# KiCad board All_Bloks_of_project.kicad_pcb (continued)
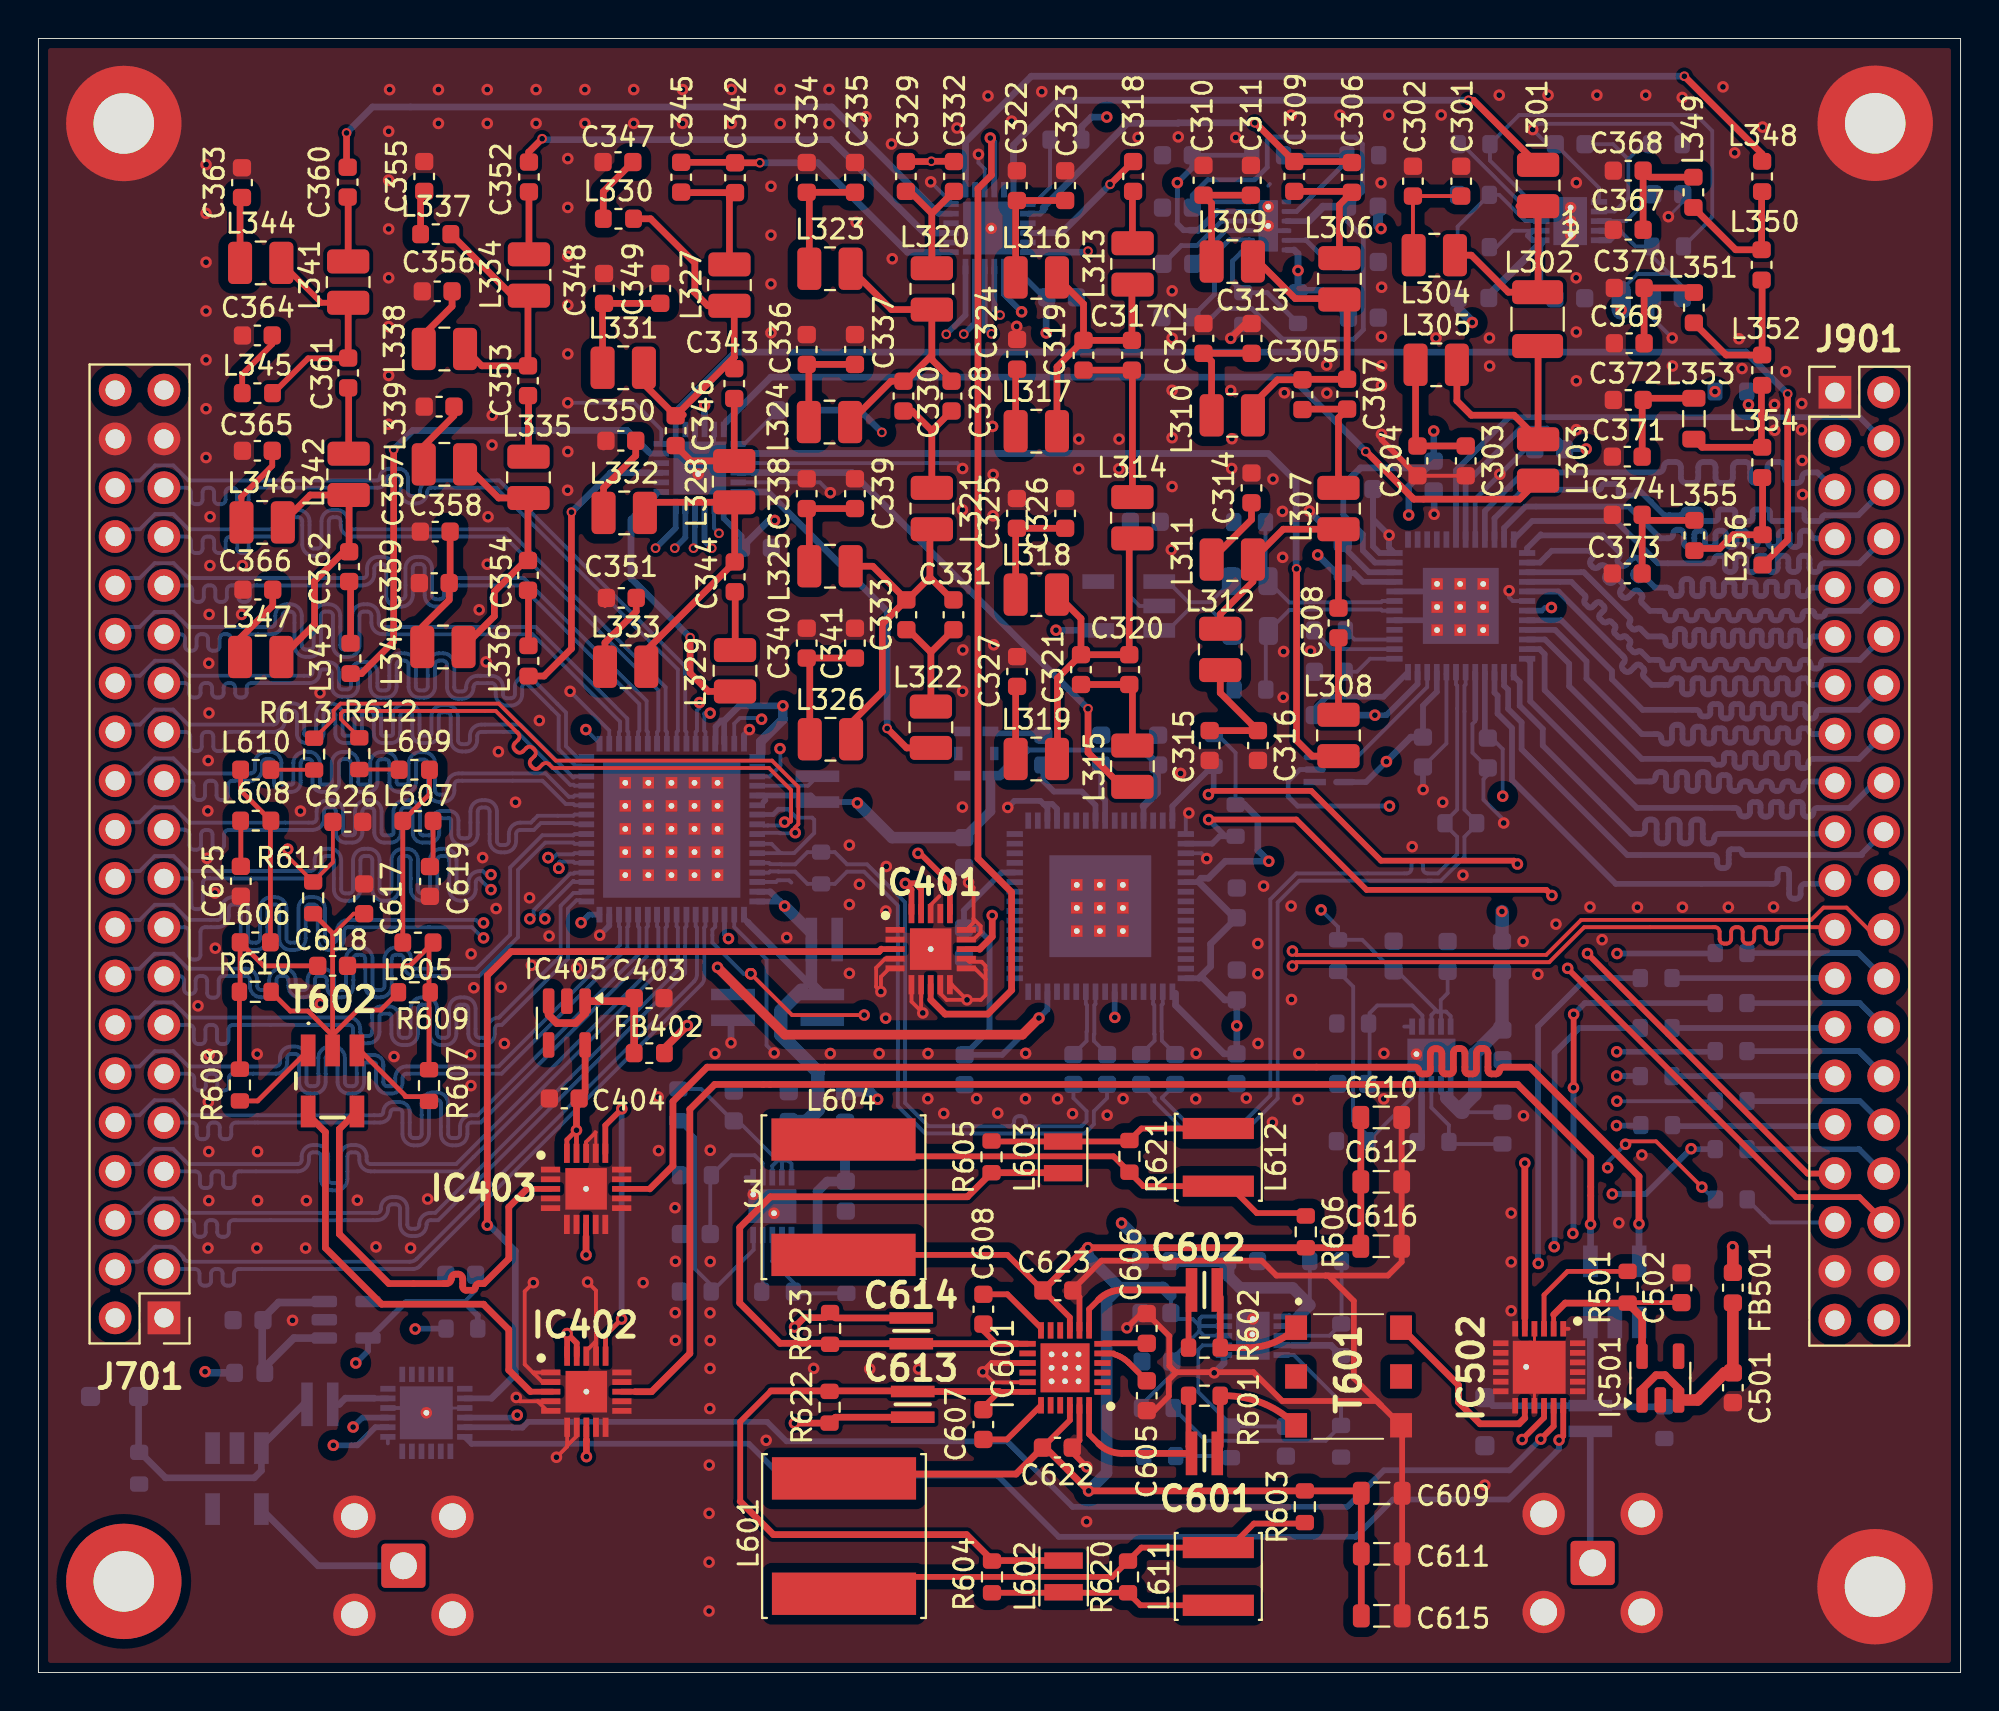
[diagram p0: board, top side]
## Routing (per net, layer and track width the routed paths; a pad name or vN(x,y) marks a point on that pad's centre or on a via; arc(x,y) is an arc through that point) (continued)
/ADC_D5_P: length 40.5
  Bottom w0.2: IC701.34 28.25,40.62 28.19,40.55 27.84,40.55 27.17,39.88 27.17,37.28 23.95,34.07 arc(23.54,33.9) 23.36,33.48 23.36,33.23 arc(23.3,33.08) 23.15,33.02 22.95,33.02 arc(22.8,33.08) 22.74,33.23 22.74,34.53 arc(22.57,34.95) 22.15,35.12 21.95,35.12 arc(21.54,34.95) 21.36,34.53 21.36,33.23 arc(21.3,33.08) 21.15,33.02 20.95,33.02 arc(20.8,33.08) 20.74,33.23 20.74,34.53 arc(20.57,34.95) 20.15,35.12 19.95,35.12 arc(19.54,34.95) 19.36,34.53 19.36,33.23 arc(19.3,33.08) 19.15,33.02 18.95,33.02 arc(18.8,33.08) 18.74,33.23 18.74,34.17 arc(18.6,34.51) 18.26,34.65 17.84,34.65 arc(17.5,34.51) 17.36,34.17 17.36,33.32 arc(17.3,33.17) 17.15,33.11 16.95,33.11 arc(16.8,33.17) 16.74,33.32 16.74,33.48 arc(16.57,33.9) 16.15,34.07 7.8,34.07 7.01,34.86 6.06,34.86 5.27,34.07 4.37,34.07 J701.14
/ADC_D6_N: length 38.7
  In2.Cu w0.2: v1(26.35,39.2) 26.35,39.14 25.62,38.41 23.36,38.41 v1(23.16,38.21)
  Bottom w0.2: IC701.35 27.89,41.13 27.84,41.18 27.83,41.18 26.15,39.5 26.15,39.4 v1(26.35,39.2) ; v1(23.16,38.21) 23.11,38.21 22.55,38.77 16.12,38.77 arc(15.97,38.71) 15.91,38.56 15.91,38.18 arc(15.73,37.76) 15.32,37.59 15.12,37.59 arc(14.7,37.76) 14.53,38.18 14.53,39.74 arc(14.46,39.89) 14.32,39.95 14.12,39.95 arc(13.97,39.89) 13.91,39.74 13.91,38.18 arc(13.73,37.76) 13.32,37.59 13.12,37.59 arc(12.7,37.76) 12.53,38.18 12.53,39.74 arc(12.46,39.89) 12.32,39.95 12.12,39.95 arc(11.97,39.89) 11.91,39.74 11.91,38.18 arc(11.73,37.76) 11.32,37.59 11.12,37.59 arc(10.7,37.76) 10.53,38.18 10.53,39.74 arc(10.46,39.89) 10.32,39.95 10.12,39.95 arc(9.97,39.89) 9.91,39.74 9.91,39.36 arc(9.73,38.94) 9.32,38.77 8.67,38.77 arc(8.5,38.7) 8.43,38.53 8.43,37.33 arc(8.36,37.16) 8.19,37.09 8.07,37.09 arc(7.9,37.16) 7.83,37.33 7.83,38.53 arc(7.76,38.7) 7.59,38.77 J701.17
/ADC_D6_P: length 38.7
  In2.Cu w0.2: v1(25.57,39.2) 25.57,38.96 25.4,38.79 23.36,38.79 v1(23.16,38.99)
  Bottom w0.2: IC701.36 27.89,41.61 27.84,41.56 27.67,41.56 25.77,39.66 25.77,39.4 v1(25.57,39.2) ; J701.18 4.37,39.15 5.27,39.15 6.06,39.94 7.01,39.94 7.8,39.15 9.32,39.15 arc(9.46,39.21) 9.53,39.36 9.53,39.74 arc(9.7,40.16) 10.12,40.33 10.32,40.33 arc(10.73,40.16) 10.91,39.74 10.91,38.18 arc(10.97,38.03) 11.12,37.97 11.32,37.97 arc(11.46,38.03) 11.53,38.18 11.53,39.74 arc(11.7,40.16) 12.12,40.33 12.32,40.33 arc(12.73,40.16) 12.91,39.74 12.91,38.18 arc(12.97,38.03) 13.12,37.97 13.32,37.97 arc(13.46,38.03) 13.53,38.18 13.53,39.74 arc(13.7,40.16) 14.12,40.33 14.32,40.33 arc(14.73,40.16) 14.91,39.74 14.91,38.18 arc(14.97,38.03) 15.12,37.97 15.32,37.97 arc(15.46,38.03) 15.53,38.18 15.53,38.56 arc(15.7,38.98) 16.12,39.15 22.76,39.15 22.91,38.99 v1(23.16,38.99)
/ADC_D7_N: length 41.3
  In2.Cu w0.2: v1(23.55,40.72) 23.75,40.92 25.87,40.92 26.79,41.84 v1(27.07,41.84)
  Bottom w0.2: v1(23.55,40.72) 23.51,40.72 22.96,41.27 22.96,41.31 arc(22.81,41.25) 22.75,41.1 22.75,40.74 arc(22.58,40.32) 22.16,40.15 21.96,40.15 arc(21.54,40.32) 21.37,40.74 21.37,42.26 arc(21.31,42.41) 21.16,42.47 20.96,42.47 arc(20.81,42.41) 20.75,42.26 20.75,40.74 arc(20.58,40.32) 20.16,40.15 19.96,40.15 arc(19.54,40.32) 19.37,40.74 19.37,42.26 arc(19.31,42.41) 19.16,42.47 18.96,42.47 arc(18.81,42.41) 18.75,42.26 18.75,40.74 arc(18.58,40.32) 18.16,40.15 17.96,40.15 arc(17.54,40.32) 17.37,40.74 17.37,42.26 arc(17.31,42.41) 17.16,42.47 16.96,42.47 arc(16.81,42.41) 16.75,42.26 16.75,40.74 arc(16.58,40.32) 16.16,40.15 15.96,40.15 arc(15.54,40.32) 15.37,40.74 15.37,42.26 arc(15.31,42.41) 15.16,42.47 14.96,42.47 arc(14.81,42.41) 14.75,42.26 14.75,41.9 arc(14.58,41.48) 14.16,41.31 8.79,41.31 arc(8.63,41.24) 8.55,41.07 8.55,39.95 arc(8.48,39.78) 8.31,39.71 8.19,39.71 arc(8.03,39.78) 7.95,39.95 7.95,41.07 arc(7.88,41.24) 7.71,41.31 J701.19 ; IC701.37 27.89,42.12 27.83,42.18 27.13,42.18 27.07,42.12 v1(27.07,41.84)
/ADC_D7_P: length 41.7
  In2.Cu w0.2: v1(26.52,42.39) 26.52,42.11 25.72,41.3 23.75,41.3 v1(23.55,41.5)
  Bottom w0.2: v1(26.52,42.39) 26.8,42.39 26.97,42.56 27.83,42.56 27.89,42.62 IC701.38 ; J701.20 4.37,41.69 5.27,41.69 6.05,42.47 7.03,42.47 7.81,41.69 14.16,41.69 arc(14.31,41.75) 14.37,41.9 14.37,42.26 arc(14.54,42.68) 14.96,42.85 15.16,42.85 arc(15.58,42.68) 15.75,42.26 15.75,40.74 arc(15.81,40.59) 15.96,40.53 16.16,40.53 arc(16.31,40.59) 16.37,40.74 16.37,42.26 arc(16.54,42.68) 16.96,42.85 17.16,42.85 arc(17.58,42.68) 17.75,42.26 17.75,40.74 arc(17.81,40.59) 17.96,40.53 18.16,40.53 arc(18.31,40.59) 18.37,40.74 18.37,42.26 arc(18.54,42.68) 18.96,42.85 19.16,42.85 arc(19.58,42.68) 19.75,42.26 19.75,40.74 arc(19.81,40.59) 19.96,40.53 20.16,40.53 arc(20.31,40.59) 20.37,40.74 20.37,42.26 arc(20.54,42.68) 20.96,42.85 21.16,42.85 arc(21.58,42.68) 21.75,42.26 21.75,40.74 arc(21.81,40.59) 21.96,40.53 22.16,40.53 arc(22.31,40.59) 22.37,40.74 22.37,41.1 arc(22.54,41.52) 22.96,41.69 23.12,41.69 23.3,41.5 v1(23.55,41.5)
/ADC_D8_N: length 40.4
  Bottom w0.2: J701.21 7.59,43.85 7.62,43.83 arc(7.79,43.76) 7.86,43.59 7.86,43.04 arc(7.93,42.87) 8.1,42.8 8.22,42.8 arc(8.39,42.87) 8.46,43.04 8.46,43.59 arc(8.53,43.76) 8.7,43.83 8.82,43.83 arc(8.99,43.76) 9.06,43.59 9.06,43.04 arc(9.13,42.87) 9.3,42.8 9.42,42.8 arc(9.59,42.87) 9.66,43.04 9.66,43.59 arc(9.73,43.76) 9.9,43.83 11.9,43.83 11.9,43.83 14.26,43.83 arc(14.68,44) 14.85,44.42 14.85,44.79 arc(14.91,44.94) 15.06,45 15.26,45 arc(15.41,44.94) 15.47,44.79 15.47,43.69 arc(15.63,43.32) 15.99,43.17 16.33,43.17 arc(16.7,43.32) 16.85,43.69 16.85,44.79 arc(16.91,44.94) 17.06,45 17.26,45 arc(17.41,44.94) 17.47,44.79 17.47,43.69 arc(17.63,43.32) 17.99,43.17 18.33,43.17 arc(18.7,43.32) 18.85,43.69 18.85,44.79 arc(18.91,44.94) 19.06,45 19.26,45 arc(19.41,44.94) 19.47,44.79 19.47,43.69 arc(19.63,43.32) 19.99,43.17 20.33,43.17 arc(20.7,43.32) 20.85,43.69 20.85,44.33 arc(20.89,44.41) 20.97,44.44 21.36,44.44 arc(21.44,44.41) 21.47,44.33 21.47,43.6 arc(21.65,43.19) 22.06,43.01 22.26,43.01 arc(22.68,43.19) 22.85,43.6 22.85,44.79 arc(22.91,44.94) 23.06,45 23.26,45 arc(23.41,44.94) 23.47,44.79 23.47,43.25 arc(23.65,42.84) 24.06,42.66 24.26,42.66 arc(24.68,42.84) 24.85,43.25 24.85,43.62 arc(24.91,43.77) 25.06,43.83 25.78,43.83 26.14,44.19 27.83,44.19 27.89,44.12 IC701.41
/ADC_D8_P: length 40.5
  Bottom w0.2: J701.22 4.37,44.23 5.27,44.23 6.05,45.01 7.03,45.01 7.83,44.21 11.75,44.21 11.75,44.21 14.26,44.21 arc(14.41,44.27) 14.47,44.42 14.47,44.79 arc(14.65,45.2) 15.06,45.38 15.26,45.38 arc(15.68,45.2) 15.85,44.79 15.85,43.69 arc(15.89,43.59) 15.99,43.55 16.33,43.55 arc(16.43,43.59) 16.47,43.69 16.47,44.79 arc(16.65,45.2) 17.06,45.38 17.26,45.38 arc(17.68,45.2) 17.85,44.79 17.85,43.69 arc(17.89,43.59) 17.99,43.55 18.33,43.55 arc(18.43,43.59) 18.47,43.69 18.47,44.79 arc(18.65,45.2) 19.06,45.38 19.26,45.38 arc(19.68,45.2) 19.85,44.79 19.85,43.69 arc(19.89,43.59) 19.99,43.55 20.33,43.55 arc(20.43,43.59) 20.47,43.69 20.47,44.33 arc(20.62,44.68) 20.97,44.82 21.36,44.82 arc(21.71,44.68) 21.85,44.33 21.85,43.6 arc(21.91,43.45) 22.06,43.39 22.26,43.39 arc(22.41,43.45) 22.47,43.6 22.47,44.79 arc(22.65,45.2) 23.06,45.38 23.26,45.38 arc(23.68,45.2) 23.85,44.79 23.85,43.25 arc(23.91,43.1) 24.06,43.04 24.26,43.04 arc(24.41,43.1) 24.47,43.25 24.47,43.62 arc(24.65,44.04) 25.06,44.21 25.62,44.21 25.98,44.57 27.83,44.57 27.89,44.63 IC701.42
/ADC_D9_N: length 40.3
  Bottom w0.2: J701.23 7.83,46.39 arc(7.99,46.32) 8.07,46.15 8.07,45.63 arc(8.14,45.46) 8.31,45.39 8.43,45.39 arc(8.59,45.46) 8.67,45.63 8.67,46.15 arc(8.74,46.32) 8.91,46.39 9.03,46.39 arc(9.19,46.32) 9.27,46.15 9.27,45.63 arc(9.34,45.46) 9.51,45.39 9.63,45.39 arc(9.79,45.46) 9.87,45.63 9.87,46.15 arc(9.94,46.32) 10.11,46.39 11.05,46.39 arc(11.47,46.56) 11.64,46.98 11.64,47.31 arc(11.7,47.45) 11.85,47.52 12.05,47.52 arc(12.2,47.45) 12.26,47.31 12.26,46.29 arc(12.4,45.95) 12.74,45.81 13.16,45.81 arc(13.5,45.95) 13.64,46.29 13.64,47.3 arc(13.7,47.45) 13.85,47.51 14.05,47.51 arc(14.2,47.45) 14.26,47.3 14.26,46.29 arc(14.4,45.95) 14.74,45.81 15.16,45.81 arc(15.5,45.95) 15.64,46.29 15.64,47.3 arc(15.7,47.45) 15.85,47.51 16.05,47.51 arc(16.2,47.45) 16.26,47.3 16.26,46.29 arc(16.4,45.95) 16.74,45.81 17.16,45.81 arc(17.5,45.95) 17.64,46.29 17.64,47.3 arc(17.7,47.44) 17.85,47.51 18.05,47.51 arc(18.2,47.44) 18.26,47.3 18.26,46.29 arc(18.4,45.95) 18.74,45.81 19.16,45.81 arc(19.5,45.95) 19.64,46.29 19.64,47.28 arc(19.7,47.43) 19.85,47.49 20.05,47.49 arc(20.2,47.43) 20.26,47.28 20.26,45.88 arc(20.43,45.46) 20.85,45.29 21.05,45.29 arc(21.47,45.46) 21.64,45.88 21.64,46.18 arc(21.7,46.33) 21.85,46.39 26.22,46.39 27.43,45.18 27.83,45.18 27.89,45.11 IC701.43
/ADC_D9_P: length 40.5
  Bottom w0.2: J701.24 4.37,46.77 5.28,46.77 6.06,47.55 7.02,47.55 7.8,46.77 11.05,46.77 arc(11.2,46.83) 11.26,46.98 11.26,47.31 arc(11.43,47.72) 11.85,47.9 12.05,47.9 arc(12.47,47.72) 12.64,47.31 12.64,46.29 arc(12.67,46.22) 12.74,46.19 13.16,46.19 arc(13.23,46.22) 13.26,46.29 13.26,47.3 arc(13.43,47.72) 13.85,47.89 14.05,47.89 arc(14.47,47.72) 14.64,47.3 14.64,46.29 arc(14.67,46.22) 14.74,46.19 15.16,46.19 arc(15.23,46.22) 15.26,46.29 15.26,47.3 arc(15.43,47.72) 15.85,47.89 16.05,47.89 arc(16.47,47.72) 16.64,47.3 16.64,46.29 arc(16.67,46.22) 16.74,46.19 17.16,46.19 arc(17.23,46.22) 17.26,46.29 17.26,47.3 arc(17.43,47.71) 17.85,47.89 18.05,47.89 arc(18.47,47.71) 18.64,47.3 18.64,46.29 arc(18.67,46.22) 18.74,46.19 19.16,46.19 arc(19.23,46.22) 19.26,46.29 19.26,47.28 arc(19.43,47.7) 19.85,47.87 20.05,47.87 arc(20.47,47.7) 20.64,47.28 20.64,45.88 arc(20.7,45.73) 20.85,45.67 21.05,45.67 arc(21.2,45.73) 21.26,45.88 21.26,46.18 arc(21.43,46.6) 21.85,46.77 26.38,46.77 27.59,45.56 27.83,45.56 27.89,45.62 IC701.44
/ADC_D10_N: length 40.3
  Bottom w0.2: J701.25 7.66,48.93 arc(7.83,48.86) 7.9,48.69 7.9,48.17 arc(7.97,48) 8.14,47.93 8.26,47.93 arc(8.43,48) 8.5,48.17 8.5,48.69 arc(8.57,48.86) 8.74,48.93 8.86,48.93 arc(9.03,48.86) 9.1,48.69 9.1,48.17 arc(9.17,48) 9.34,47.93 9.46,47.93 arc(9.63,48) 9.7,48.17 9.7,48.69 arc(9.77,48.86) 9.94,48.93 12.24,48.93 arc(12.65,49.1) 12.83,49.52 12.83,49.82 arc(12.89,49.97) 13.04,50.03 13.24,50.03 arc(13.39,49.97) 13.45,49.82 13.45,48.83 arc(13.59,48.49) 13.93,48.35 14.35,48.35 arc(14.69,48.49) 14.83,48.83 14.83,49.81 arc(14.89,49.96) 15.04,50.02 15.24,50.02 arc(15.39,49.96) 15.45,49.81 15.45,48.83 arc(15.59,48.49) 15.93,48.35 16.35,48.35 arc(16.69,48.49) 16.83,48.83 16.83,49.8 arc(16.89,49.95) 17.04,50.01 17.24,50.01 arc(17.39,49.95) 17.45,49.8 17.45,48.83 arc(17.59,48.49) 17.93,48.35 18.35,48.35 arc(18.69,48.49) 18.83,48.83 18.83,49.78 arc(18.89,49.93) 19.04,49.99 19.24,49.99 arc(19.39,49.93) 19.45,49.78 19.45,48.83 arc(19.59,48.49) 19.93,48.35 20.35,48.35 arc(20.69,48.49) 20.83,48.83 20.83,49.74 arc(20.89,49.89) 21.04,49.95 21.24,49.95 arc(21.39,49.89) 21.45,49.74 21.45,48.5 arc(21.62,48.08) 22.04,47.91 22.24,47.91 arc(22.65,48.08) 22.83,48.5 22.83,48.72 arc(22.89,48.87) 23.04,48.93 24.91,48.93 27.66,46.18 27.84,46.18 27.89,46.13 IC701.45
/ADC_D10_P: length 40.5
  Bottom w0.2: J701.26 4.37,49.31 5.28,49.31 6.06,50.09 7.01,50.09 7.79,49.31 12.24,49.31 arc(12.39,49.37) 12.45,49.52 12.45,49.82 arc(12.62,50.24) 13.04,50.41 13.24,50.41 arc(13.65,50.24) 13.83,49.82 13.83,48.83 arc(13.86,48.76) 13.93,48.73 14.35,48.73 arc(14.42,48.76) 14.45,48.83 14.45,49.81 arc(14.62,50.23) 15.04,50.4 15.24,50.4 arc(15.65,50.23) 15.83,49.81 15.83,48.83 arc(15.86,48.76) 15.93,48.73 16.35,48.73 arc(16.42,48.76) 16.45,48.83 16.45,49.8 arc(16.62,50.21) 17.04,50.39 17.24,50.39 arc(17.65,50.21) 17.83,49.8 17.83,48.83 arc(17.86,48.76) 17.93,48.73 18.35,48.73 arc(18.42,48.76) 18.45,48.83 18.45,49.78 arc(18.62,50.2) 19.04,50.37 19.24,50.37 arc(19.65,50.2) 19.83,49.78 19.83,48.83 arc(19.86,48.76) 19.93,48.73 20.35,48.73 arc(20.42,48.76) 20.45,48.83 20.45,49.74 arc(20.62,50.16) 21.04,50.33 21.24,50.33 arc(21.65,50.16) 21.83,49.74 21.83,48.5 arc(21.89,48.35) 22.04,48.29 22.24,48.29 arc(22.39,48.35) 22.45,48.5 22.45,48.72 arc(22.62,49.14) 23.04,49.31 25.07,49.31 27.82,46.56 27.84,46.56 27.89,46.61 IC701.46
/ADC_D11_N: length 40.4
  Bottom w0.2: IC701.47 28.25,47.12 28.19,47.18 27.91,47.18 27.07,48.03 27.07,49.78 25.38,51.46 arc(25.23,51.4) 25.17,51.25 25.17,50.89 arc(25,50.47) 24.58,50.3 24.38,50.3 arc(23.96,50.47) 23.79,50.89 23.79,51.25 arc(23.73,51.4) 23.58,51.46 22.85,51.46 22.84,51.47 arc(22.7,51.41) 22.63,51.26 22.63,51.24 arc(22.46,50.82) 22.04,50.65 21.84,50.65 arc(21.43,50.82) 21.25,51.24 21.25,52.43 arc(21.19,52.58) 21.04,52.64 20.84,52.64 arc(20.7,52.58) 20.63,52.43 20.63,51.28 arc(20.47,50.88) 20.06,50.71 19.83,50.71 arc(19.42,50.88) 19.25,51.28 19.25,52.43 arc(19.19,52.58) 19.04,52.64 18.84,52.64 arc(18.7,52.58) 18.63,52.43 18.63,51.28 arc(18.47,50.88) 18.06,50.71 17.83,50.71 arc(17.42,50.88) 17.25,51.28 17.25,52.02 arc(17.21,52.13) 17.09,52.18 16.8,52.18 arc(16.68,52.13) 16.63,52.02 16.63,51.3 arc(16.47,50.92) 16.09,50.76 15.8,50.76 arc(15.41,50.92) 15.25,51.3 15.25,52.01 arc(15.21,52.13) 15.09,52.18 14.8,52.18 arc(14.68,52.13) 14.63,52.01 arc(14.48,51.63) 14.09,51.47 11.08,51.47 arc(10.91,51.4) 10.84,51.23 10.84,50.96 arc(10.76,50.79) 10.59,50.72 10.48,50.72 arc(10.31,50.79) 10.23,50.96 10.23,51.23 arc(10.16,51.4) 10,51.47 9.88,51.47 arc(9.71,51.4) 9.64,51.23 9.64,50.96 arc(9.56,50.79) 9.4,50.72 9.28,50.72 arc(9.11,50.79) 9.04,50.96 9.04,51.23 arc(8.96,51.4) 8.8,51.47 8.67,51.47 arc(8.51,51.4) 8.44,51.23 8.44,50.96 arc(8.36,50.79) 8.2,50.72 8.08,50.72 arc(7.91,50.79) 7.84,50.96 7.84,51.23 arc(7.76,51.4) 7.59,51.47 J701.27
/ADC_D11_P: length 40.5
  Bottom w0.2: J701.28 4.37,51.85 5.28,51.85 6.06,52.63 7,52.63 7.78,51.85 14.09,51.85 arc(14.21,51.9) 14.25,52.01 arc(14.41,52.4) 14.8,52.56 15.09,52.56 arc(15.48,52.4) 15.63,52.01 15.63,51.3 arc(15.68,51.19) 15.8,51.14 16.09,51.14 arc(16.21,51.19) 16.25,51.3 16.25,52.02 arc(16.41,52.4) 16.8,52.56 17.09,52.56 arc(17.47,52.4) 17.63,52.02 17.63,51.28 arc(17.69,51.14) 17.83,51.09 18.06,51.09 arc(18.2,51.14) 18.25,51.28 18.25,52.43 arc(18.43,52.85) 18.84,53.02 19.04,53.02 arc(19.46,52.85) 19.63,52.43 19.63,51.28 arc(19.69,51.14) 19.83,51.09 20.06,51.09 arc(20.2,51.14) 20.25,51.28 20.25,52.43 arc(20.43,52.85) 20.84,53.02 21.04,53.02 arc(21.46,52.85) 21.63,52.43 21.63,51.24 arc(21.7,51.09) 21.84,51.03 22.04,51.03 arc(22.19,51.09) 22.25,51.24 22.25,51.26 arc(22.43,51.68) 22.84,51.85 23,51.85 23.01,51.84 23.58,51.84 arc(24,51.67) 24.17,51.25 24.17,50.89 arc(24.23,50.74) 24.38,50.68 24.58,50.68 arc(24.73,50.74) 24.79,50.89 24.79,51.25 arc(24.96,51.67) 25.38,51.84 25.54,51.84 27.45,49.93 27.45,48.18 28.07,47.56 28.19,47.56 28.25,47.63 IC701.48
/ADC_D12_N: length 40.4
  Bottom w0.2: J701.29 7.39,54.01 arc(7.56,53.94) 7.63,53.77 7.63,53.39 arc(7.7,53.22) 7.87,53.15 7.99,53.15 arc(8.16,53.22) 8.23,53.39 8.23,53.77 arc(8.3,53.94) 8.47,54.01 8.59,54.01 arc(8.76,53.94) 8.83,53.77 8.83,53.39 arc(8.9,53.22) 9.07,53.15 9.19,53.15 arc(9.36,53.22) 9.43,53.39 9.43,53.77 arc(9.5,53.94) 9.67,54.01 9.79,54.01 arc(9.96,53.94) 10.03,53.77 10.03,53.39 arc(10.1,53.22) 10.27,53.15 10.39,53.15 arc(10.56,53.22) 10.63,53.39 10.63,53.77 arc(10.7,53.94) 10.87,54.01 12.11,54.01 arc(12.53,54.18) 12.7,54.6 12.7,54.98 arc(12.76,55.13) 12.91,55.19 13.11,55.19 arc(13.26,55.13) 13.32,54.98 13.32,53.42 arc(13.49,53.01) 13.91,52.83 14.11,52.83 arc(14.53,53.01) 14.7,53.42 14.7,54.98 arc(14.76,55.13) 14.91,55.19 15.11,55.19 arc(15.26,55.13) 15.32,54.98 15.32,53.42 arc(15.49,53.01) 15.91,52.83 16.11,52.83 arc(16.53,53.01) 16.7,53.42 16.7,54.98 arc(16.76,55.13) 16.91,55.19 17.11,55.19 arc(17.26,55.13) 17.32,54.98 17.32,54.6 arc(17.49,54.18) 17.91,54.01 25.71,54.01 30.26,49.46 30.26,48.97 30.21,48.92 IC701.51
/ADC_D12_P: length 40.5
  Bottom w0.2: IC701.52 30.69,48.92 30.64,48.97 30.64,49.62 25.87,54.39 17.91,54.39 arc(17.76,54.45) 17.7,54.6 17.7,54.98 arc(17.53,55.39) 17.11,55.57 16.91,55.57 arc(16.49,55.39) 16.32,54.98 16.32,53.42 arc(16.26,53.27) 16.11,53.21 15.91,53.21 arc(15.76,53.27) 15.7,53.42 15.7,54.98 arc(15.53,55.39) 15.11,55.57 14.91,55.57 arc(14.49,55.39) 14.32,54.98 14.32,53.42 arc(14.26,53.27) 14.11,53.21 13.91,53.21 arc(13.76,53.27) 13.7,53.42 13.7,54.98 arc(13.53,55.39) 13.11,55.57 12.91,55.57 arc(12.49,55.39) 12.32,54.98 12.32,54.6 arc(12.26,54.45) 12.11,54.39 7.8,54.39 7.02,55.17 6.05,55.17 5.27,54.39 4.37,54.39 J701.30
/ADC_D13_N: length 40.4
  Bottom w0.2: J701.31 7.76,56.55 arc(7.93,56.48) 8,56.31 8,55.93 arc(8.07,55.76) 8.24,55.69 8.36,55.69 arc(8.53,55.76) 8.6,55.93 8.6,56.31 arc(8.67,56.48) 8.84,56.55 8.96,56.55 arc(9.13,56.48) 9.2,56.31 9.2,55.93 arc(9.27,55.76) 9.44,55.69 9.56,55.69 arc(9.73,55.76) 9.8,55.93 9.8,56.31 arc(9.87,56.48) 10.04,56.55 10.16,56.55 arc(10.33,56.48) 10.4,56.31 10.4,55.93 arc(10.47,55.76) 10.64,55.69 10.76,55.69 arc(10.93,55.76) 11,55.93 11,56.31 arc(11.07,56.48) 11.24,56.55 16.88,56.55 arc(17.3,56.72) 17.47,57.14 17.47,57.44 arc(17.54,57.59) 17.68,57.65 17.88,57.65 arc(18.03,57.59) 18.09,57.44 18.09,56.04 arc(18.27,55.62) 18.68,55.45 18.88,55.45 arc(19.3,55.62) 19.47,56.04 19.47,57.44 arc(19.54,57.59) 19.68,57.65 19.88,57.65 arc(20.03,57.59) 20.09,57.44 20.09,56.04 arc(20.27,55.62) 20.68,55.45 20.88,55.45 arc(21.3,55.62) 21.47,56.04 21.47,56.34 arc(21.54,56.49) 21.68,56.55 25.09,56.55 31.26,50.38 31.26,48.99 31.2,48.92 IC701.53
/ADC_D13_P: length 40.5
  Bottom w0.2: J701.32 4.37,56.93 5.27,56.93 6.05,57.71 7.03,57.71 7.81,56.93 16.88,56.93 arc(17.03,56.99) 17.09,57.14 17.09,57.44 arc(17.27,57.86) 17.68,58.03 17.88,58.03 arc(18.3,57.86) 18.47,57.44 18.47,56.04 arc(18.54,55.89) 18.68,55.83 18.88,55.83 arc(19.03,55.89) 19.09,56.04 19.09,57.44 arc(19.27,57.86) 19.68,58.03 19.88,58.03 arc(20.3,57.86) 20.47,57.44 20.47,56.04 arc(20.54,55.89) 20.68,55.83 20.88,55.83 arc(21.03,55.89) 21.09,56.04 21.09,56.34 arc(21.27,56.76) 21.68,56.93 25.25,56.93 31.64,50.54 31.64,48.99 31.7,48.92 IC701.54
/ADC_D14_N: length 40.4
  Bottom w0.2: J701.33 7.7,59.09 arc(7.87,59.02) 7.94,58.85 7.94,58.47 arc(8.01,58.3) 8.18,58.23 8.3,58.23 arc(8.47,58.3) 8.54,58.47 8.54,58.85 arc(8.61,59.02) 8.78,59.09 8.9,59.09 arc(9.07,59.02) 9.14,58.85 9.14,58.47 arc(9.21,58.3) 9.38,58.23 9.5,58.23 arc(9.67,58.3) 9.74,58.47 9.74,58.85 arc(9.81,59.02) 9.98,59.09 10.1,59.09 arc(10.27,59.02) 10.34,58.85 10.34,58.47 arc(10.41,58.3) 10.58,58.23 10.7,58.23 arc(10.87,58.3) 10.94,58.47 10.94,58.85 arc(11.01,59.02) 11.18,59.09 12.51,59.09 arc(12.93,59.26) 13.1,59.68 13.1,59.88 arc(13.17,60.03) 13.31,60.09 13.51,60.09 arc(13.66,60.03) 13.72,59.88 13.72,58.68 arc(13.9,58.26) 14.31,58.09 14.51,58.09 arc(14.93,58.26) 15.1,58.68 15.1,59.88 arc(15.17,60.03) 15.31,60.09 15.51,60.09 arc(15.66,60.03) 15.72,59.88 15.72,59.68 arc(15.9,59.26) 16.31,59.09 24.25,59.09 32.25,51.09 32.25,48.99 32.19,48.92 IC701.55
/ADC_D14_P: length 40.5
  Bottom w0.2: J701.34 4.37,59.47 5.28,59.47 6.07,60.26 7.02,60.26 7.81,59.47 12.51,59.47 arc(12.66,59.53) 12.72,59.68 12.72,59.88 arc(12.9,60.3) 13.31,60.47 13.51,60.47 arc(13.93,60.3) 14.1,59.88 14.1,58.68 arc(14.17,58.53) 14.31,58.47 14.51,58.47 arc(14.66,58.53) 14.72,58.68 14.72,59.88 arc(14.9,60.3) 15.31,60.47 15.51,60.47 arc(15.93,60.3) 16.1,59.88 16.1,59.68 arc(16.17,59.53) 16.31,59.47 24.41,59.47 32.63,51.25 32.63,48.99 32.69,48.92 IC701.56
/ADC_D15_N: length 40.4
  Bottom w0.2: IC701.57 33.2,48.92 33.27,48.99 33.27,52.18 23.81,61.63 20.44,61.63 arc(20.29,61.57) 20.23,61.42 20.23,61.4 arc(20.05,60.98) 19.64,60.81 19.44,60.81 arc(19.02,60.98) 18.85,61.4 18.85,62.12 arc(18.81,62.21) 18.73,62.24 18.25,62.24 arc(18.17,62.21) 18.13,62.12 arc(17.99,61.77) 17.64,61.63 11.18,61.63 arc(11.01,61.56) 10.94,61.39 10.94,61.01 arc(10.87,60.84) 10.7,60.77 10.58,60.77 arc(10.41,60.84) 10.34,61.01 10.34,61.39 arc(10.27,61.56) 10.1,61.63 9.98,61.63 arc(9.81,61.56) 9.74,61.39 9.74,61.01 arc(9.67,60.84) 9.5,60.77 9.38,60.77 arc(9.21,60.84) 9.14,61.01 9.14,61.39 arc(9.07,61.56) 8.9,61.63 8.78,61.63 arc(8.61,61.56) 8.54,61.39 8.54,61.01 arc(8.47,60.84) 8.3,60.77 8.18,60.77 arc(8.01,60.84) 7.94,61.01 7.94,61.39 arc(7.87,61.56) 7.7,61.63 J701.35
/ADC_D15_P: length 40.5
  Bottom w0.2: J701.36 4.37,62.01 5.29,62.01 6.07,62.79 7.02,62.79 7.8,62.01 17.64,62.01 arc(17.72,62.04) 17.75,62.12 arc(17.9,62.47) 18.25,62.62 18.73,62.62 arc(19.08,62.47) 19.23,62.12 19.23,61.4 arc(19.29,61.25) 19.44,61.19 19.64,61.19 arc(19.79,61.25) 19.85,61.4 19.85,61.42 arc(20.02,61.84) 20.44,62.01 23.97,62.01 33.65,52.33 33.65,48.99 33.71,48.92 IC701.58
/ADC_DCO_N: length 40.4
  Bottom w0.2: J701.15 7.34,36.23 arc(7.51,36.16) 7.58,35.99 7.58,35.54 arc(7.65,35.38) 7.82,35.3 7.94,35.3 arc(8.11,35.38) 8.18,35.54 8.18,35.99 arc(8.25,36.16) 8.42,36.23 8.54,36.23 arc(8.71,36.16) 8.78,35.99 8.78,35.34 arc(8.85,35.18) 9.02,35.1 9.14,35.1 arc(9.31,35.18) 9.38,35.34 9.38,35.99 arc(9.45,36.16) 9.62,36.23 10.79,36.23 arc(10.94,36.17) 11,36.02 11,35.71 arc(11.17,35.3) 11.59,35.12 11.79,35.12 arc(12.21,35.3) 12.38,35.71 12.38,36.02 arc(12.44,36.17) 12.59,36.23 12.79,36.23 arc(12.94,36.17) 13,36.02 13,35.71 arc(13.17,35.3) 13.59,35.12 13.79,35.12 arc(14.21,35.3) 14.38,35.71 14.38,36.02 arc(14.44,36.17) 14.59,36.23 14.79,36.23 arc(14.94,36.17) 15,36.02 15,35.71 arc(15.17,35.3) 15.59,35.12 15.79,35.12 arc(16.21,35.3) 16.38,35.71 16.38,37.13 arc(16.44,37.28) 16.59,37.34 16.79,37.34 arc(16.94,37.28) 17,37.13 17,35.71 arc(17.17,35.3) 17.59,35.12 17.79,35.12 arc(18.21,35.3) 18.38,35.71 18.38,37.13 arc(18.44,37.28) 18.59,37.34 18.79,37.34 arc(18.94,37.28) 19,37.13 19,36.82 arc(19.17,36.4) 19.59,36.23 22.93,36.23 24.95,38.25 24.95,41.75 26.37,43.17 27.83,43.17 27.89,43.11 IC701.39
/ADC_DCO_P: length 40.5
  Bottom w0.2: IC701.40 27.89,43.61 27.83,43.55 26.21,43.55 24.54,41.88 24.54,38.38 22.77,36.61 19.59,36.61 arc(19.44,36.67) 19.38,36.82 19.38,37.13 arc(19.21,37.54) 18.79,37.72 18.59,37.72 arc(18.17,37.54) 18,37.13 18,35.71 arc(17.94,35.56) 17.79,35.5 17.59,35.5 arc(17.44,35.56) 17.38,35.71 17.38,37.13 arc(17.21,37.54) 16.79,37.72 16.59,37.72 arc(16.17,37.54) 16,37.13 16,35.71 arc(15.94,35.56) 15.79,35.5 15.59,35.5 arc(15.44,35.56) 15.38,35.71 15.38,36.02 arc(15.21,36.44) 14.79,36.61 14.59,36.61 arc(14.17,36.44) 14,36.02 14,35.71 arc(13.94,35.56) 13.79,35.5 13.59,35.5 arc(13.44,35.56) 13.38,35.71 13.38,36.02 arc(13.21,36.44) 12.79,36.61 12.59,36.61 arc(12.17,36.44) 12,36.02 12,35.71 arc(11.94,35.56) 11.79,35.5 11.59,35.5 arc(11.44,35.56) 11.38,35.71 11.38,36.02 arc(11.21,36.44) 10.79,36.61 7.79,36.61 7.01,37.39 6.04,37.39 5.26,36.61 4.37,36.61 J701.16
/ADC_OF_N: length 76.4
  Top w0.2: J901.24 95.2,38.66 94.07,39.79 92.87,39.79 92.23,39.15 80.26,39.15 78.44,37.33 65.44,37.33 v1(65.24,37.53)
  In2.Cu w0.15: v1(34.39,50.46) 34.74,50.46 35.65,51.37 43.63,51.37 46.88,48.12 46.88,40.21 49.81,37.28 64.99,37.28 v1(65.24,37.53)
  Bottom w0.2: v1(34.39,50.46) 34.39,50.17 34.26,50.04 34.26,48.99 34.19,48.92 IC701.59
/ADC_OF_P: length 76.4
  Top w0.2: J901.23 93.35,38.77 90.7,38.77 arc(90.53,38.7) 90.46,38.53 90.46,38.16 arc(90.39,37.99) 90.22,37.92 90.1,37.92 arc(89.93,37.99) 89.86,38.16 89.86,38.53 arc(89.79,38.7) 89.62,38.77 89.5,38.77 arc(89.33,38.7) 89.26,38.53 89.26,38.16 arc(89.19,37.99) 89.02,37.92 88.9,37.92 arc(88.73,37.99) 88.66,38.16 88.66,38.53 arc(88.59,38.7) 88.42,38.77 88.3,38.77 arc(88.13,38.7) 88.06,38.53 88.06,38.16 arc(87.99,37.99) 87.82,37.92 87.7,37.92 arc(87.53,37.99) 87.46,38.16 87.46,38.53 arc(87.39,38.7) 87.22,38.77 80.42,38.77 78.6,36.95 65.44,36.95 v1(65.24,36.75)
  In2.Cu w0.15: v1(34.95,49.9) 34.95,50.19 35.8,51.04 43.49,51.04 46.54,47.99 46.54,40.08 49.67,36.95 65.04,36.95 v1(65.24,36.75)
  Bottom w0.2: v1(34.95,49.9) 34.66,49.9 34.64,49.88 34.64,48.99 34.7,48.92 IC701.60
/ADC_OUT_N: length 32.4
  Top w0.2: 14.36,48.6 15.36,49.6 15.36,50.04 15.72,50.4 23.95,50.4 26.91,47.43 38.16,47.43 39.54,46.06 39.54,44.13 39.37,43.97 v1(39.37,43.68)
  Bottom w0.2: v1(39.37,43.68) 39.34,43.66 38.58,43.66 38.56,43.68 37.73,43.68 37.66,43.61 37.41,43.61
/ADC_OUT_P: length 32.4
  Top w0.2: v1(38.82,44.24) 39.1,44.24 39.16,44.29 39.16,45.91 38.01,47.05 26.76,47.05 26.57,47.24 arc(26.4,47.31) 26.23,47.24 26.05,47.07 arc(25.88,47) 25.71,47.07 25.63,47.15 arc(25.56,47.32) 25.63,47.49 25.81,47.67 arc(25.88,47.84) 25.81,48.01 25.72,48.09 arc(25.55,48.16) 25.38,48.09 25.21,47.92 arc(25.04,47.84) 24.87,47.92 24.78,48 arc(24.71,48.17) 24.78,48.34 24.96,48.52 arc(25.03,48.68) 24.96,48.85 23.79,50.02 15.87,50.02 15.73,49.88 15.73,49.6 16.71,48.62
  Bottom w0.2: v1(38.82,44.24) 38.65,44.06 37.95,44.06 37.95,44.06 37.73,44.06 37.66,44.12 37.41,44.12
/ADC_VCM: length 38.9
  Top w0.2: C626.2 15.32,42.15 R611.2 12.97,42.45 v1(12.97,42.83) 12.99,42.81
  In2.Cu w0.2: v1(12.97,42.83) 20.53,50.39 22.78,50.39 arc(22.95,50.46) 23.02,50.63 23.02,50.87 arc(23.09,51.04) 23.26,51.11 23.38,51.11 arc(23.55,51.04) 23.62,50.87 23.62,50.63 arc(23.69,50.46) 23.86,50.39 31.14,50.39 33.47,48.06 v1(38.58,48.06)
  Bottom w0.2: IC701.3 38.04,46.61 38.6,47.17 38.6,48.04 v1(38.58,48.06)
